# Altium PCB WiCAN_V2.PcbDoc (part 1 of 2)
Units mm, origin at the board's own origin, x right, y up, seen from the top; angles counter-clockwise.
Board outline 45 x 65 mm, 2 copper layers (Top Layer, Bottom Layer); 93 components, 68 nets, 354 pads, 217 vias.
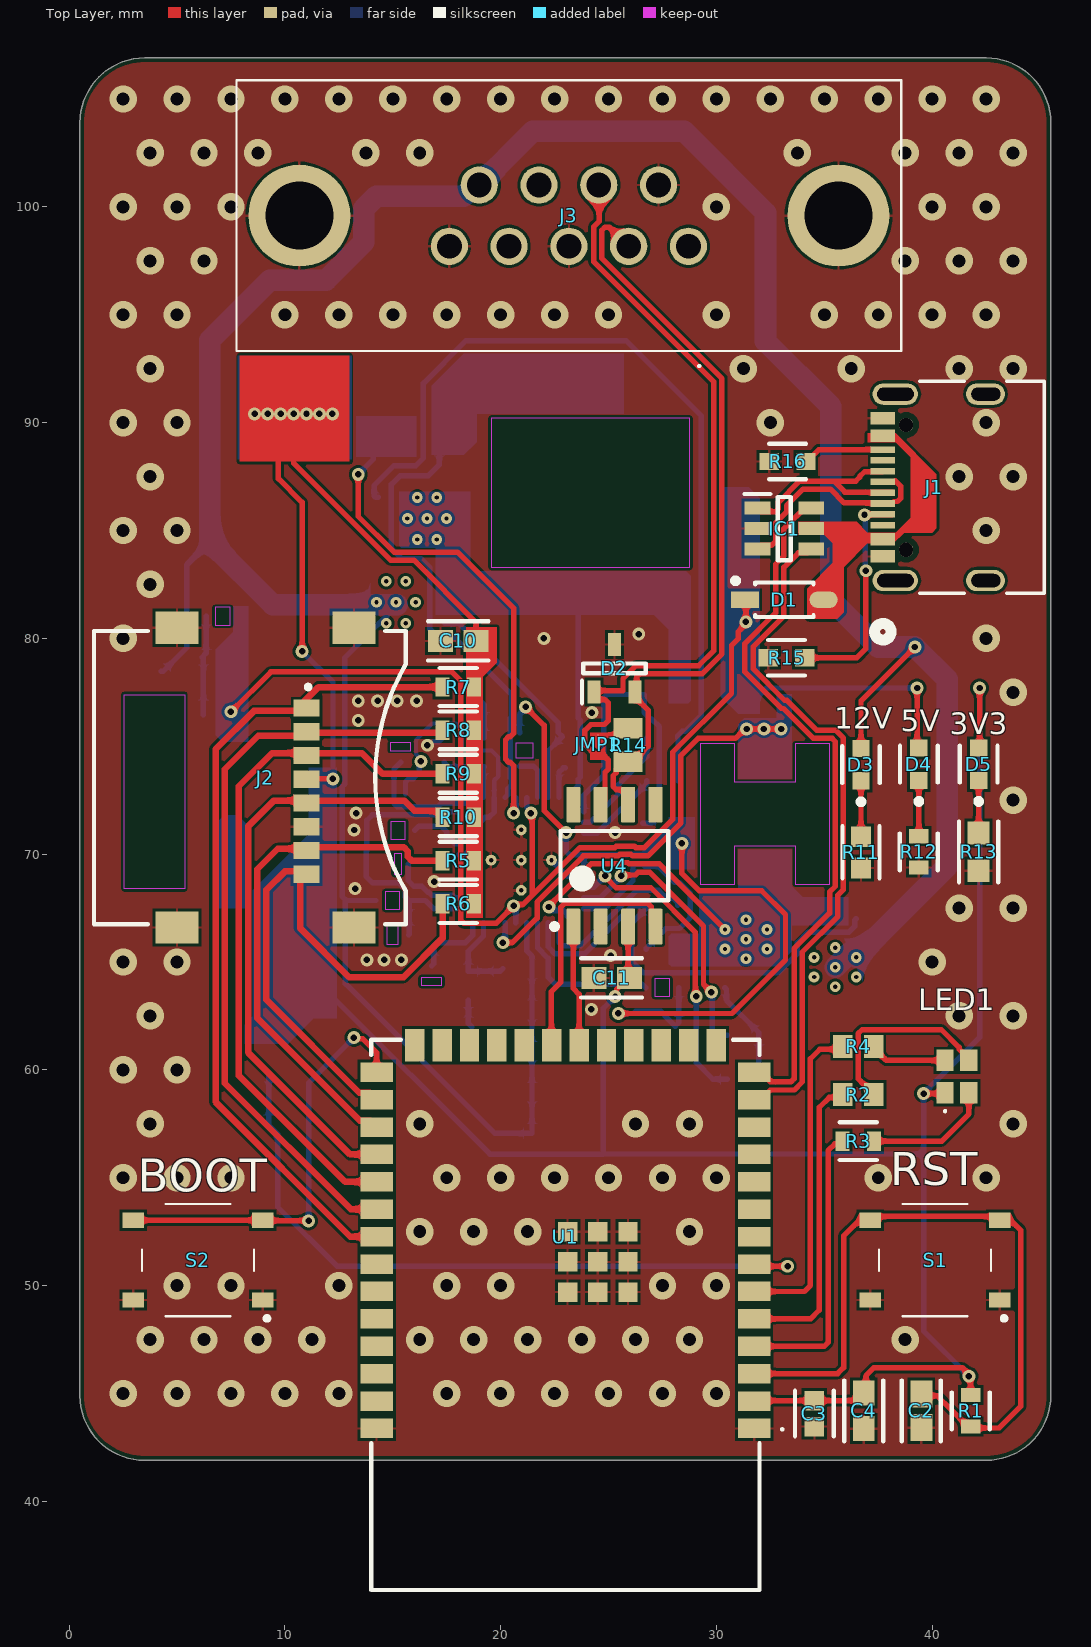
[diagram p0: Top Layer view]
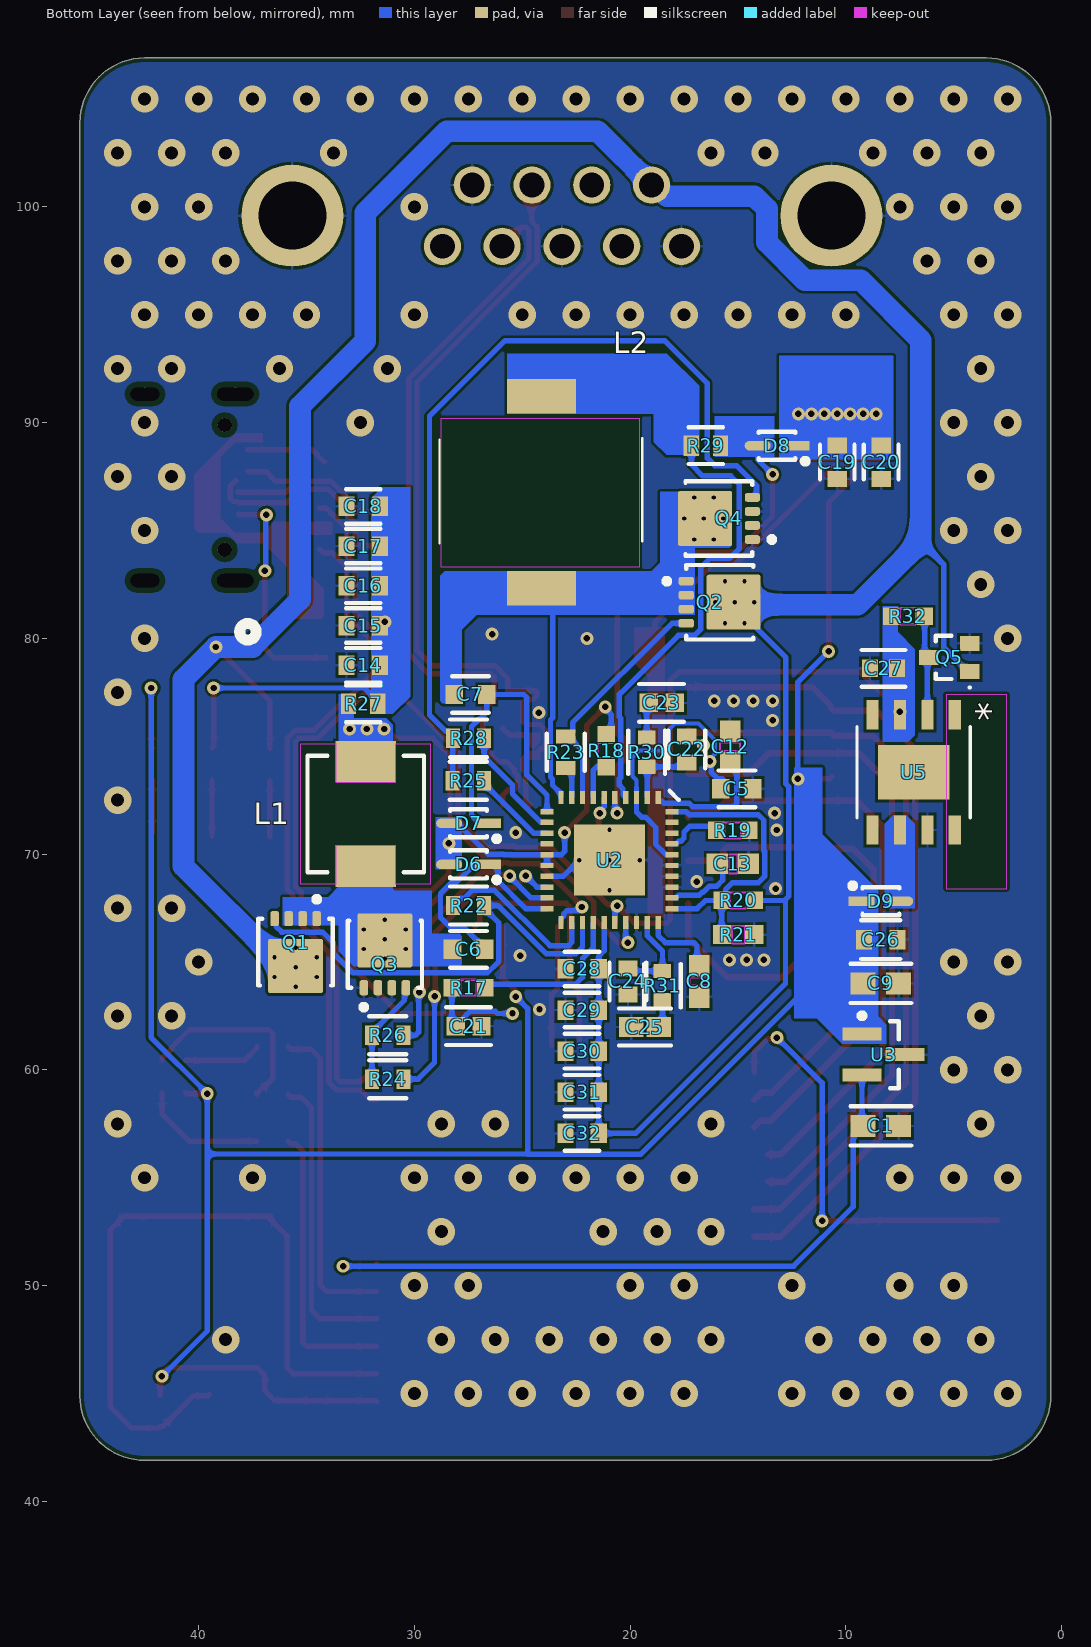
[diagram p1: Bottom Layer view, seen from below]
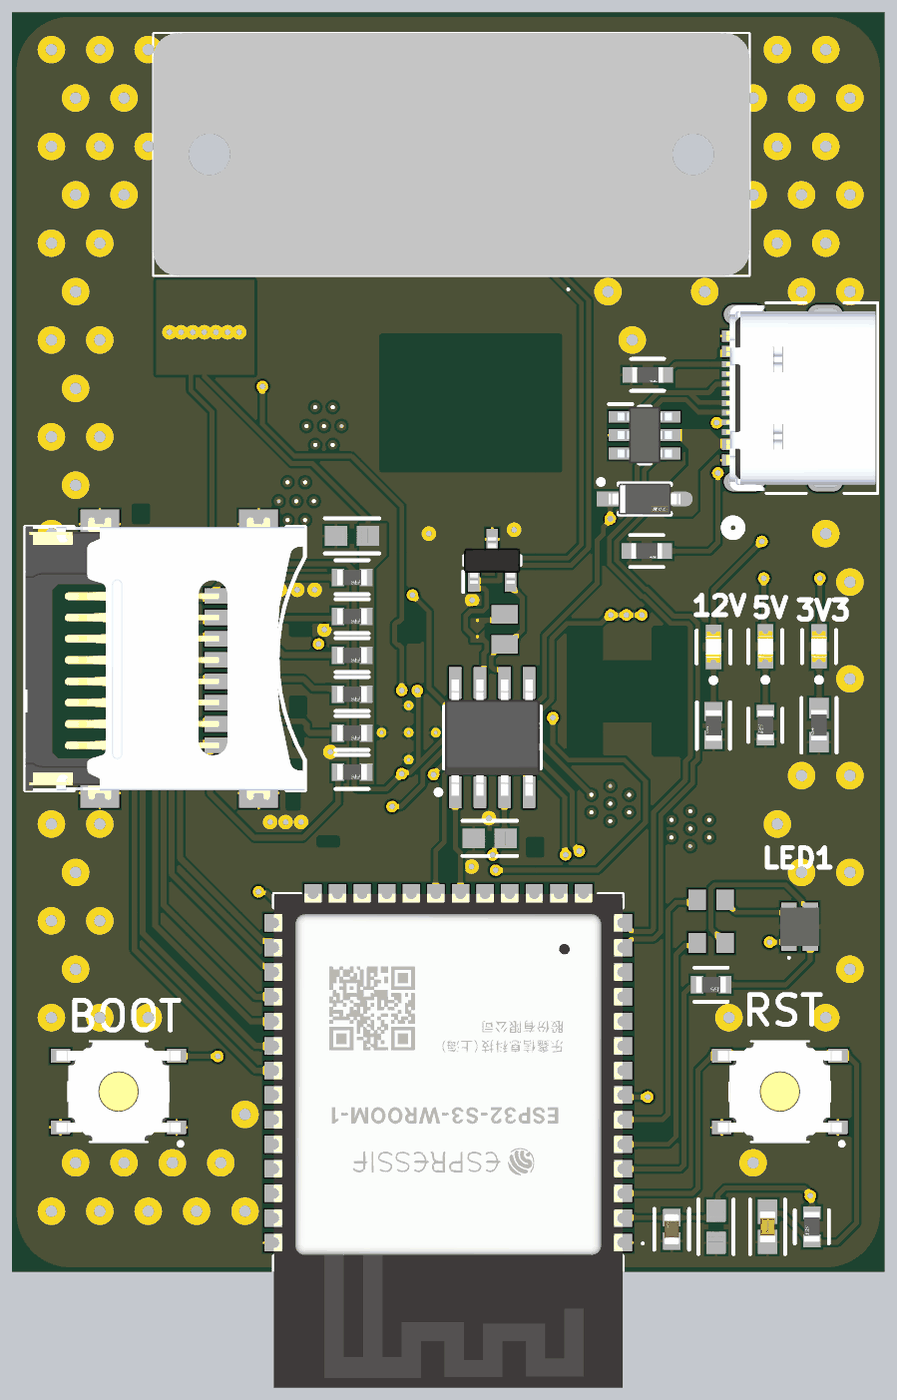
[diagram p3: 3D render of the assembled board from above, using the file's embedded part models]
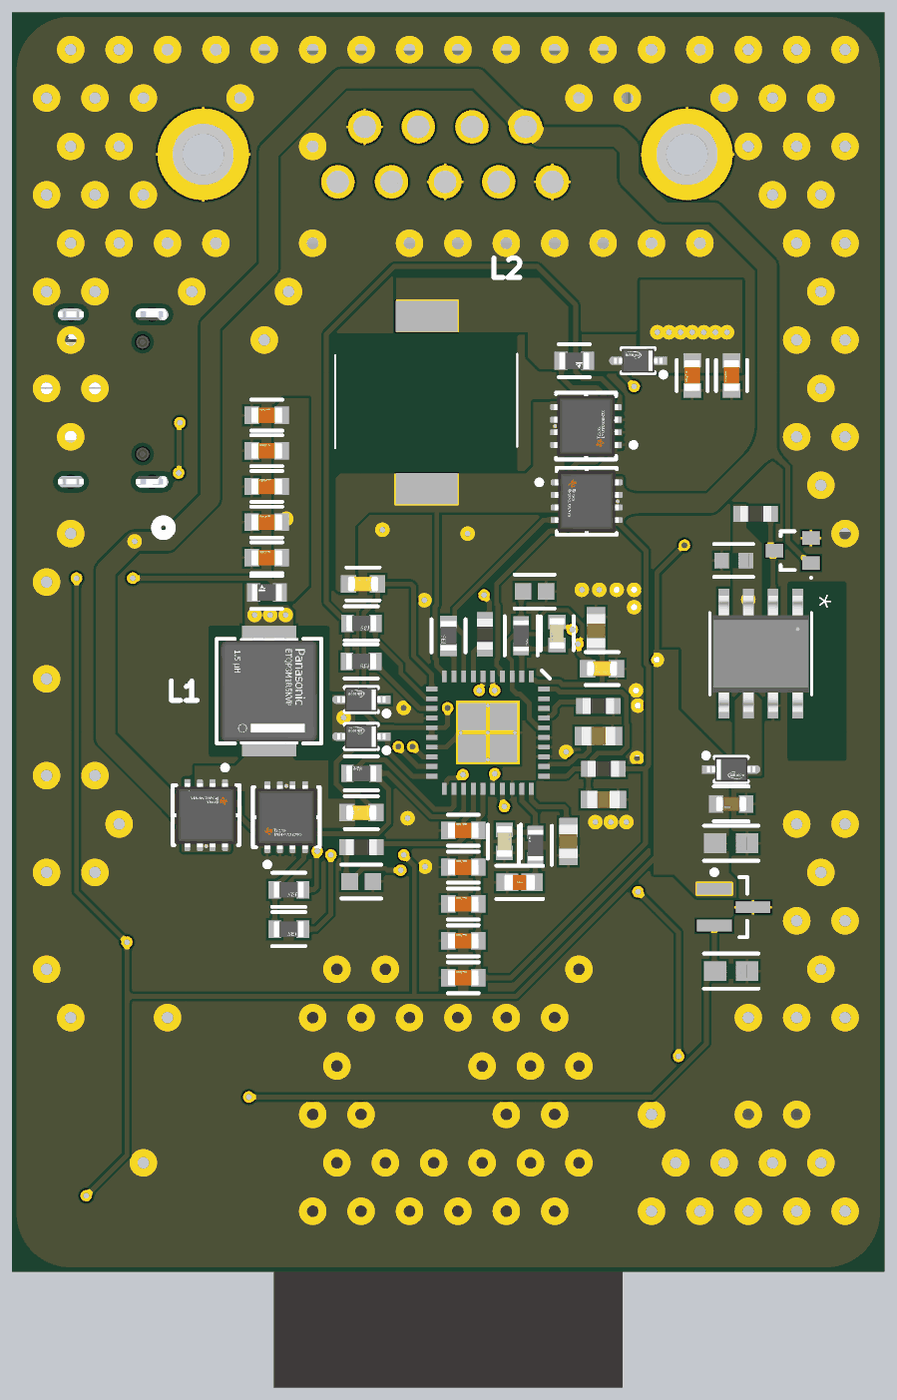
[diagram p4: 3D render of the assembled board from below, using the file's embedded part models]

## Layer stack, top to bottom
Top Solder: solder mask 0.0102, Solder Resist, Dk 3.5
Top Layer: signal copper 0.0356
Dielectric 1: dielectric 0.32, FR-4, Dk 4.8
Bottom Layer: signal copper 0.0356
Bottom Solder: solder mask 0.0102, Solder Resist, Dk 3.5

## Board outline
0.5,44.902 0.5,103.902 cw(c3.5,103.902) 3.5,106.902 42.5,106.902 cw(c42.5,103.902) 45.5,103.902 45.5,44.902 cw(c42.5,44.902) 42.5,41.902 3.5,41.902 cw(c3.5,44.902)

## Design rules (kind name [scope] priority, off if disabled: settings)
BoardOutlineClearance [All] p1: gap=0.2 ignorepadtopadclearanceinfootprint=FALSE
Clearance [All] p1: gap=0.127 ignorepadtopadclearanceinfootprint=FALSE except(0.25: Arc-Hole Track-Hole SMDPad-Hole THPad-Hole Via-Hole Fill-Hole Poly-Hole Region-Hole Text-Hole)
ComponentClearance [All] p1: gap=0.127 collisioncheckmode=3 verticalgap=0.127 showdistances=TRUE
DiffPairsRouting [All] p1: maxlimit=0.254 minlimit=0.127 mostfreqgap=0.127 toplayer_minwidth=0.127 toplayer_maxwidth=25.4 toplayer_prefwidth=0.25 bottomlayer_minwidth=0.127 bottomlayer_maxwidth=25.4 bottomlayer_prefwidth=0.25 maxuncoupledlength=12.7
Height [All] p1: minheight=0 maxheight=1816.048 prefheight=12.7
HoleSize [All] p1: absolutevalues=TRUE maxlimit=6.3 minlimit=0.3 maxpercent=80.000 minpercent=20.000
HoleToHoleClearance [All] p1: gap=0.25 allowstackedmicrovias=FALSE
MinimumAnnularRing [All] p1: minimumring=0.076
MinimumSolderMaskSliver [All] p1: minsoldermaskwidth=0
PlaneClearance [All] p1: clearance=0.127
PlaneConnect PlaneConnectPowerPads [InPadClass('PowerPads')] p1: planeconnectstyle=Direct reliefexpansion=0.508 reliefentries=4 reliefconductorwidth=0.254 reliefairgap=0.254
PlaneConnect [All] p2: pad.planeconnectstyle=Relief pad.reliefexpansion=0.3 pad.reliefentries=4 pad.reliefconductorwidth=0.127 pad.reliefairgap=0.127 via.planeconnectstyle=Direct via.reliefexpansion=0.3 via.reliefentries=4 via.reliefconductorwidth=0.127 via.reliefairgap=0.127
PolygonConnect PolygonConnectPowerPads [All vs (InPadClass('PowerPads'))] p1: connectstyle=Direct reliefconductorwidth=0.254 reliefentries=4 polygonreliefangle="90 Angle" airgapwidth=0.254
PolygonConnect [All] p2: thpad.connectstyle=Relief thpad.reliefconductorwidth=0.127 thpad.reliefentries=4 thpad.polygonreliefangle="90 Angle" thpad.airgapwidth=0.127 smdpad.connectstyle=Relief smdpad.reliefconductorwidth=0.127 smdpad.reliefentries=4 smdpad.polygonreliefangle="90 Angle" smdpad.airgapwidth=0.127 via.connectstyle=Direct via.reliefconductorwidth=0.127 via.reliefentries=4 via.polygonreliefangle="90 Angle" via.airgapwidth=0.127
RoutingVias [All] p1: holewidth=0.3 width=0.6 viastyle="Through Hole" minholewidth=0.3 minwidth=0.6 maxholewidth=0.6 maxwidth=6.6
SilkToSilkClearance [All] p1: silktosilkclearance=0
SilkToSolderMaskClearance [IsPad] p1: minsilkscreentomaskgap=0.127 clearancetoexposedcopper=TRUE
SolderMaskExpansion [All] p1: expansion=0.075 istentingtop=FALSE
SupplyNets "Schematic Supply Nets_3" [InNet('+12')] p1: voltage=0.000
SupplyNets "Schematic Supply Nets_2" [InNet('VCC')] p2: voltage=0.000
SupplyNets "Schematic Supply Nets_1" [InNet('+5')] p3: voltage=0.000
SupplyNets "Schematic Supply Nets" [InNet('GND')] p4: voltage=0.000
Width [All] p1: maxlimit=25.4 minlimit=0.127 preferedwidth=0.25 minimp=50.000000 maximp=50.000000 favimp=50.000000
20 further rules are at their usual default settings.

## Classes and differential pairs
component class U_Processor: C1 C2 C3 C4 D1 IC1 J1 LED1 R1 R2 R3 R4 R15 R16 S1 S2 TP1 TP2 U1
component class U_Power: C5 C6 C7 C8 C9 C12 C13 C14 C15 C16 C17 C18 C19 C20 C21 C22 C23 C24 C25 C28 C29 C30 C31 C32 D3 D4 D5 D6 D7 D8 L1 L2 Q1 Q2 Q3 Q4 R11 R12 R13 R17 R18 R19 R20 R21 R22 R23 R24 R25 R26 R27 R28 R29 R30 R31 U2 U3
component class U_microSD: C10 J2 R5 R6 R7 R8 R9 R10
component class U_CAN: C11 D2 J3 JMP1 R14 U4
component class Backup: C26 C27 D9 Q5 R32 U5
differential pair D_ESD: +D_ESD_P -D_ESD_N
differential pair D: +D_P -D_N
differential pair CAN: +CAN_P -CAN_N

## Components (designator, comment, footprint, x,y, rotation, side; value= is the part's Value field where it differs from the comment)
C1 "CL10B104KB8WPNC" FP-CL10-IPC_A 8.382,57.404 r0 bottom
C2 "UMK107BJ105KA-T" FP-0603-L_1_6_0_1-W_0_8_0-IPC_A 39.497,44.196 r270 top
C3 "GRM188R61A226ME15D" FP-GRM188-0_2-IPC_C 34.544,44.069 r90 top
C4 "CL10B104KB8WPNC" FP-CL10-IPC_A 36.83,44.196 r90 top
C5 "CC0603KRX7R8BB104" FP-CC0603-DA-MFG 15.054,73.029 r180 bottom value="100 nF"
C6 "CC0603KRX7R8BB104" FP-CC0603-DA-MFG 27.489,65.586 r0 bottom value="100 nF"
C7 "CC0603KRX7R8BB104" FP-CC0603-DA-MFG 27.4,77.4 r0 bottom value="100 nF"
C8 "C0603C153K5RACTU" CAPC17595_87N_KEM 16.8,64.1 r90 bottom
C9 "CL10A105KO8NNNC" FP-CL10-IPC_A 8.382,64.008 r0 bottom
C10 "CL10B104KB8WPNC" FP-CL10-IPC_A 18.034,79.883 r0 top
C11 "CL10B104KB8WPNC" FP-CL10-IPC_A 25.146,64.262 r0 top
C12 "C0603C153K5RACTU" CAPC17595_87N_KEM 15.367,74.977 r90 bottom
C13 "C0603C103K5RACTU" CAPC17595_87N_KEM 15.243,69.547 r0 bottom
C14 "GRM188R61A106ME69D" FP-GRM188-0_15-MFG 32.372,78.753 r0 bottom
C15 "GRM188R61A106ME69D" FP-GRM188-0_15-MFG 32.372,80.595 r0 bottom
C16 "GRM188R61A106ME69D" FP-GRM188-0_15-MFG 32.372,82.436 r0 bottom
C17 "GRM188R61A106ME69D" FP-GRM188-0_15-MFG 32.372,84.277 r0 bottom
C18 "GRM188R61A106ME69D" FP-GRM188-0_15-MFG 32.372,86.119 r0 bottom
C19 "GRM188R61A106ME69D" FP-GRM188-0_15-MFG 10.397,88.168 r270 bottom
C20 "GRM188R61A106ME69D" FP-GRM188-0_15-MFG 8.365,88.168 r270 bottom
C21 "GRM188R61E475KE11D" FP-GRM188-0_15-IPC_C 27.489,62.03 r180 bottom
C22 "C0603C470J5GACTU" FP-C0603C-CF-MFG 17.376,74.85 r90 bottom value="47 pF"
C23 "GRM188R61E475KE11D" FP-GRM188-0_15-IPC_C 18.542,77.009 r180 bottom
C24 "C0603C470J5GACTU" FP-C0603C-CF-MFG 20.1,64.1 r270 bottom value="47 pF"
C25 "C1608X5R1A685M080AC" FP-C1608-080-0_1-IPC_B 19.311,61.987 r180 bottom
C26 "GRM188R60G226MEA0D" FP-GRM188-0_2-MFG 8.382,66.04 r0 bottom
C27 "CL10A106MQ8NNNC" FP-CL10-IPC_C 8.255,78.613 r180 bottom
C28 "GRM188R61A106ME69D" FP-GRM188-0_15-MFG 22.225,64.678 r0 bottom
C29 "GRM188R61A106ME69D" FP-GRM188-0_15-MFG 22.225,62.773 r0 bottom
C30 "GRM188R61A106ME69D" FP-GRM188-0_15-MFG 22.225,60.868 r0 bottom
C31 "GRM188R61A106ME69D" FP-GRM188-0_15-MFG 22.225,58.963 r0 bottom
C32 "GRM188R61A106ME69D" FP-GRM188-0_15-MFG 22.225,57.058 r0 bottom
D1 "MBRX120LF-TP" FP-SOD-123-IPC_A 33.147,81.788 r0 top
D2 "PESD2CANFD24U-TR" SOT95P230X110-3N 25.273,78.613 r90 top
D3 "12V" FP-LTST-C190KGKT-MFG 36.7,74.15 r90 top
D4 "5V" FP-LTST-C190KGKT-MFG 39.382,74.168 r90 top
D5 "3V3" FP-LTST-C190KGKT-MFG 42.153,74.168 r90 top
D6 "BAT60AE6327HTSA1" FP-PG-SOD323-2-IPC_C 27.489,69.523 r0 bottom
D7 "BAT60AE6327HTSA1" FP-PG-SOD323-2-IPC_C 27.489,71.428 r0 bottom
D8 "BAT60AE6327HTSA1" FP-PG-SOD323-2-IPC_C 13.191,88.93 r0 bottom
D9 "BAT60AE6327HTSA1" FP-PG-SOD323-2-IPC_C 8.382,67.818 r180 bottom
IC1 "USBLC6-2SC6" SOT95P280X145-6N 33.147,85.09 r0 top
J1 "USB4105-GF-A" USB4105_GCT 41.2,87 r90 top
J2 "MEM2067-02-180-00-A_REVB" GCT_MEM2067-02-180-00-A_REVB 8.375,73.545 r90 top
J3 "A-DS_09_PP_Z" ADS09PPZ 28.702,98.171 r180 top
JMP1 "Solder Jumper" "Solder Jumper" 24.506,75.057 r90 top
L1 "ETQP3M1R5KVP" FP-PCC-M0530M-LP-MFG 32.255,71.864 r270 bottom value=1.5uH
L2 "CDRH104RNP-2R5NC" CDRH104RNP-2R5NC 24.113,86.771 r0 bottom
LED1 "STATUS" CLMVCFKACL1D1L71BB7C3C3 41.148,59.69 r270 top
Q1 "CSD17579Q3A" FP-DNH0008A-MFG 35.504,65.459 r270 bottom
Q2 "CSD17579Q3A" FP-DNH0008A-MFG 15.85,81.675 r180 bottom
Q3 "CSD17579Q3A" FP-DNH0008A-MFG 31.369,65.358 r90 bottom
Q4 "CSD17579Q3A" FP-DNH0008A-MFG 15.884,85.557 r0 bottom
Q5 "2N7002WT1G" ONSC-SC-70-3-419-04_V 5.207,79.121 r0 bottom
R1 "RMCF0603JG10K0" FP-RMCF0603-MFG 41.783,44.196 r270 top
R2 "ERJ-3GEYJ620V" RESC1608X55X30ML15T15 36.576,58.857 r180 top
R3 "RMCF0603FT280R" FP-RMCF0603-MFG 36.576,56.701 r0 top
R4 "ERJ-3GEYJ620V" RESC1608X55X30ML15T15 36.576,61.084 r180 top
R5 "RMCF0603JG10K0" FP-RMCF0603-MFG 18.034,69.702 r0 top
R6 "RMCF0603JG10K0" FP-RMCF0603-MFG 18.034,67.691 r0 top
R7 "RMCF0603JG10K0" FP-RMCF0603-MFG 18.034,77.745 r0 top
R8 "RMCF0603JG10K0" FP-RMCF0603-MFG 18.034,75.734 r0 top
R9 "RMCF0603JG10K0" FP-RMCF0603-MFG 18.034,73.724 r0 top
R10 "RMCF0603JG10K0" FP-RMCF0603-MFG 18.034,71.713 r0 top
R11 "ESR03EZPJ751" FP-ESR03-IPC_B 36.7,70.086 r90 top
R12 "RMCF0603FT280R" FP-RMCF0603-MFG 39.382,70.104 r270 top
R13 "AC0603FR-10100RL" FP-AC0603-IPC_A 42.153,70.104 r270 top
R14 "ERJ-P06J121V" RESC2013X70X40LL20T20 25.908,75.057 r270 top
R15 "AC0603FR-135K1L" FP-AC0603-MFG 33.25,79.1 r0 top
R16 "AC0603FR-135K1L" FP-AC0603-MFG 33.3,88.2 r0 top
R17 "RC0603FR-0710KL" RC0603N_YAG 27.489,63.808 r180 bottom
R18 "RC0603FR-0710KL" RC0603N_YAG 21.1,74.8 r90 bottom
R19 "RC0603FR-0710KL" RC0603N_YAG 15.243,71.1 r0 bottom
R20 "RC0603FR-0710KL" RC0603N_YAG 14.986,67.852 r180 bottom
R21 "RNCF0603BTE2K50" RES_RNCF0603_STP 14.986,66.269 r0 bottom
R22 "RMCF0603FT10R0" FP-RMCF0603-MFG 27.489,67.618 r0 bottom
R23 "RMCF0603FT10R0" FP-RMCF0603-MFG 22.987,74.723 r270 bottom
R24 "RMCF0603FT10R0" FP-RMCF0603-MFG 31.237,59.571 r180 bottom
R25 "RMCF0603FT10R0" FP-RMCF0603-MFG 27.5,73.4 r180 bottom
R26 "RMCF0603FT10R0" FP-RMCF0603-MFG 31.237,61.603 r180 bottom
R27 "MCT0603MD4021BP100" FP-MCT0603-MFG 32.372,76.962 r0 bottom
R28 "RMCF0603FT10R0" FP-RMCF0603-MFG 27.489,75.365 r180 bottom
R29 "MCT0603MD4021BP100" FP-MCT0603-MFG 16.493,88.93 r180 bottom
R30 "RC0603FR-0720KL" FP-RC0603-0_55-IPC_C 19.235,74.723 r270 bottom
R31 "RC0603FR-0720KL" FP-RC0603-0_55-IPC_C 18.5,63.9 r90 bottom
R32 "RC0603FR-0710KL" RC0603N_YAG 7.122,81.026 r0 bottom
S1 "RESET" PTS526SM15SMTR2LFS 40.132,51.181 r180 top
S2 "BOOT" PTS526SM15SMTR2LFS 5.969,51.181 r180 top
U1 "ESP32-S3-WROOM-1-N4" ESP32S3WROOM1N4 23,48.641 r180 top
U2 "LM5143QRWGRQ1" RWG0040A 20.955,69.723 r270 bottom
U3 "MCP9700T-E/TT" SOT-23-TT3_M 8.255,60.706 r180 bottom
U4 "SN65HVD232DR" D0008A_M 25.273,69.469 r90 top
U5 "SC4216STRT" SOIC-8-EDP_SEM 6.858,73.793 r270 bottom

## Footprints (in the part's own frame and the unit in brackets; to place one, negate y for a bottom-side part, rotate by r counter-clockwise, add the part's x,y. Pads: shape width x height; smd on the part's side, far side on the other; paste and mask are expansions set on the pad)
ADS09PPZ [mm]
  round 1.725 hole 1.15: 1(0,0) 2(2.77,0) 3(5.54,0) 4(8.31,0) 5(11.08,0) 6(1.385,-2.84) 7(4.155,-2.84) 8(6.925,-2.84) 9(9.695,-2.84)
  round 4.725 hole 3.15: MH1(-6.955,-1.42) MH2(18.035,-1.42)
  silkscreen extent -9.86,-7.7 20.95,5.6, body extent -9.87,-7.7 20.95,4.85, height 12.6
CAPC17595_87N_KEM [mm]
  rect 1x0.95 smd paste+0 mask+0: 1(-0.725,0) 2(0.725,0)
  Top Layer keep-out region: -0.174,-0.424 -0.174,0.424 0.174,0.424 0.174,-0.424
  Keep-Out Layer region: -0.174,-0.475 -0.174,0.475 0.174,0.475 0.174,-0.475
  body extent -0.87,-0.48 0.87,0.48, height 0.87
CDRH104RNP-2R5NC [mm]
  rect 3.2x1.6 smd: 1(0,4.45) 2(0,-4.45)
  Top Layer keep-out region: -4.547,3.48 4.648,3.48 4.648,-3.429 -4.547,-3.429
  Bottom Layer keep-out region: -4.547,3.48 4.648,3.48 4.648,-3.429 -4.547,-3.429
  silkscreen extent -4.67,-2.51 4.72,2.36
CLMVCFKACL1D1L71BB7C3C3 [mm]
  rect 1x0.8 smd: 1(0.75,-0.55) 2(-0.75,-0.55) 3(-0.75,0.55) 4(0.75,0.55)
  silkscreen extent 1.55,-0.6 1.65,-0.5, body extent -1,-1 1,1, height 1.1
D0008A_M [mm] "SOIC, 8-Leads, Body 5x4mm, Pitch 1.27mm, IPC Low Density"
  rrect15% 1.65x0.65 smd: 1(-2.825,1.905) 2(-2.825,0.635) 3(-2.825,-0.635) 4(-2.825,-1.905) 5(2.825,-1.905) 6(2.825,-0.635) 7(2.825,0.635) 8(2.825,1.905)
  silkscreen extent -2.95,-2.5 1.6,2.9, body extent -3,-2.45 3,2.45, height 1.63
ESP32S3WROOM1N4 [mm]
  rect 1.5x0.9 smd: 1(-8.75,5.26) 2(-8.75,3.99) 3(-8.75,2.72) 4(-8.75,1.45) 5(-8.75,0.18) 6(-8.75,-1.09) 7(-8.75,-2.36) 8(-8.75,-3.63) 9(-8.75,-4.9) 10(-8.75,-6.17) 11(-8.75,-7.44) 12(-8.75,-8.71) 13(-8.75,-9.98) 14(-8.75,-11.25) 27(8.75,-11.25) 28(8.75,-9.98) 29(8.75,-8.71) 30(8.75,-7.44) 31(8.75,-6.17) 32(8.75,-4.9) 33(8.75,-3.63) 34(8.75,-2.36) 35(8.75,-1.09) 36(8.75,0.18) 37(8.75,1.45) 38(8.75,2.72) 39(8.75,3.99) 40(8.75,5.26)
  rect 0.9x1.5 smd: 15(-6.985,-12.5) 16(-5.715,-12.5) 17(-4.445,-12.5) 18(-3.175,-12.5) 19(-1.905,-12.5) 20(-0.635,-12.5) 21(0.635,-12.5) 22(1.905,-12.5) 23(3.175,-12.5) 24(4.445,-12.5) 25(5.715,-12.5) 26(6.985,-12.5)
  rect 0.9x0.9 smd: 41(-1.5,-2.46) 42(-2.9,-1.06) 43(-2.9,-2.46) 44(-2.9,-3.86) 45(-1.5,-3.86) 46(-0.1,-3.86) 47(-0.1,-2.46) 48(-0.1,-1.06) 49(-1.5,-1.06)
  silkscreen extent -10.1,-12.75 9,12.75, body extent -9.01,-12.76 9.01,12.75, height 3.11
FP-0603-L_1_6_0_1-W_0_8_0-IPC_A [mm]
  rect 1.258x1.012 smd paste+0 mask+0: 1(-0.777,0) 2(0.777,0)